# KiCad board HermEIS.kicad_pcb (continued)
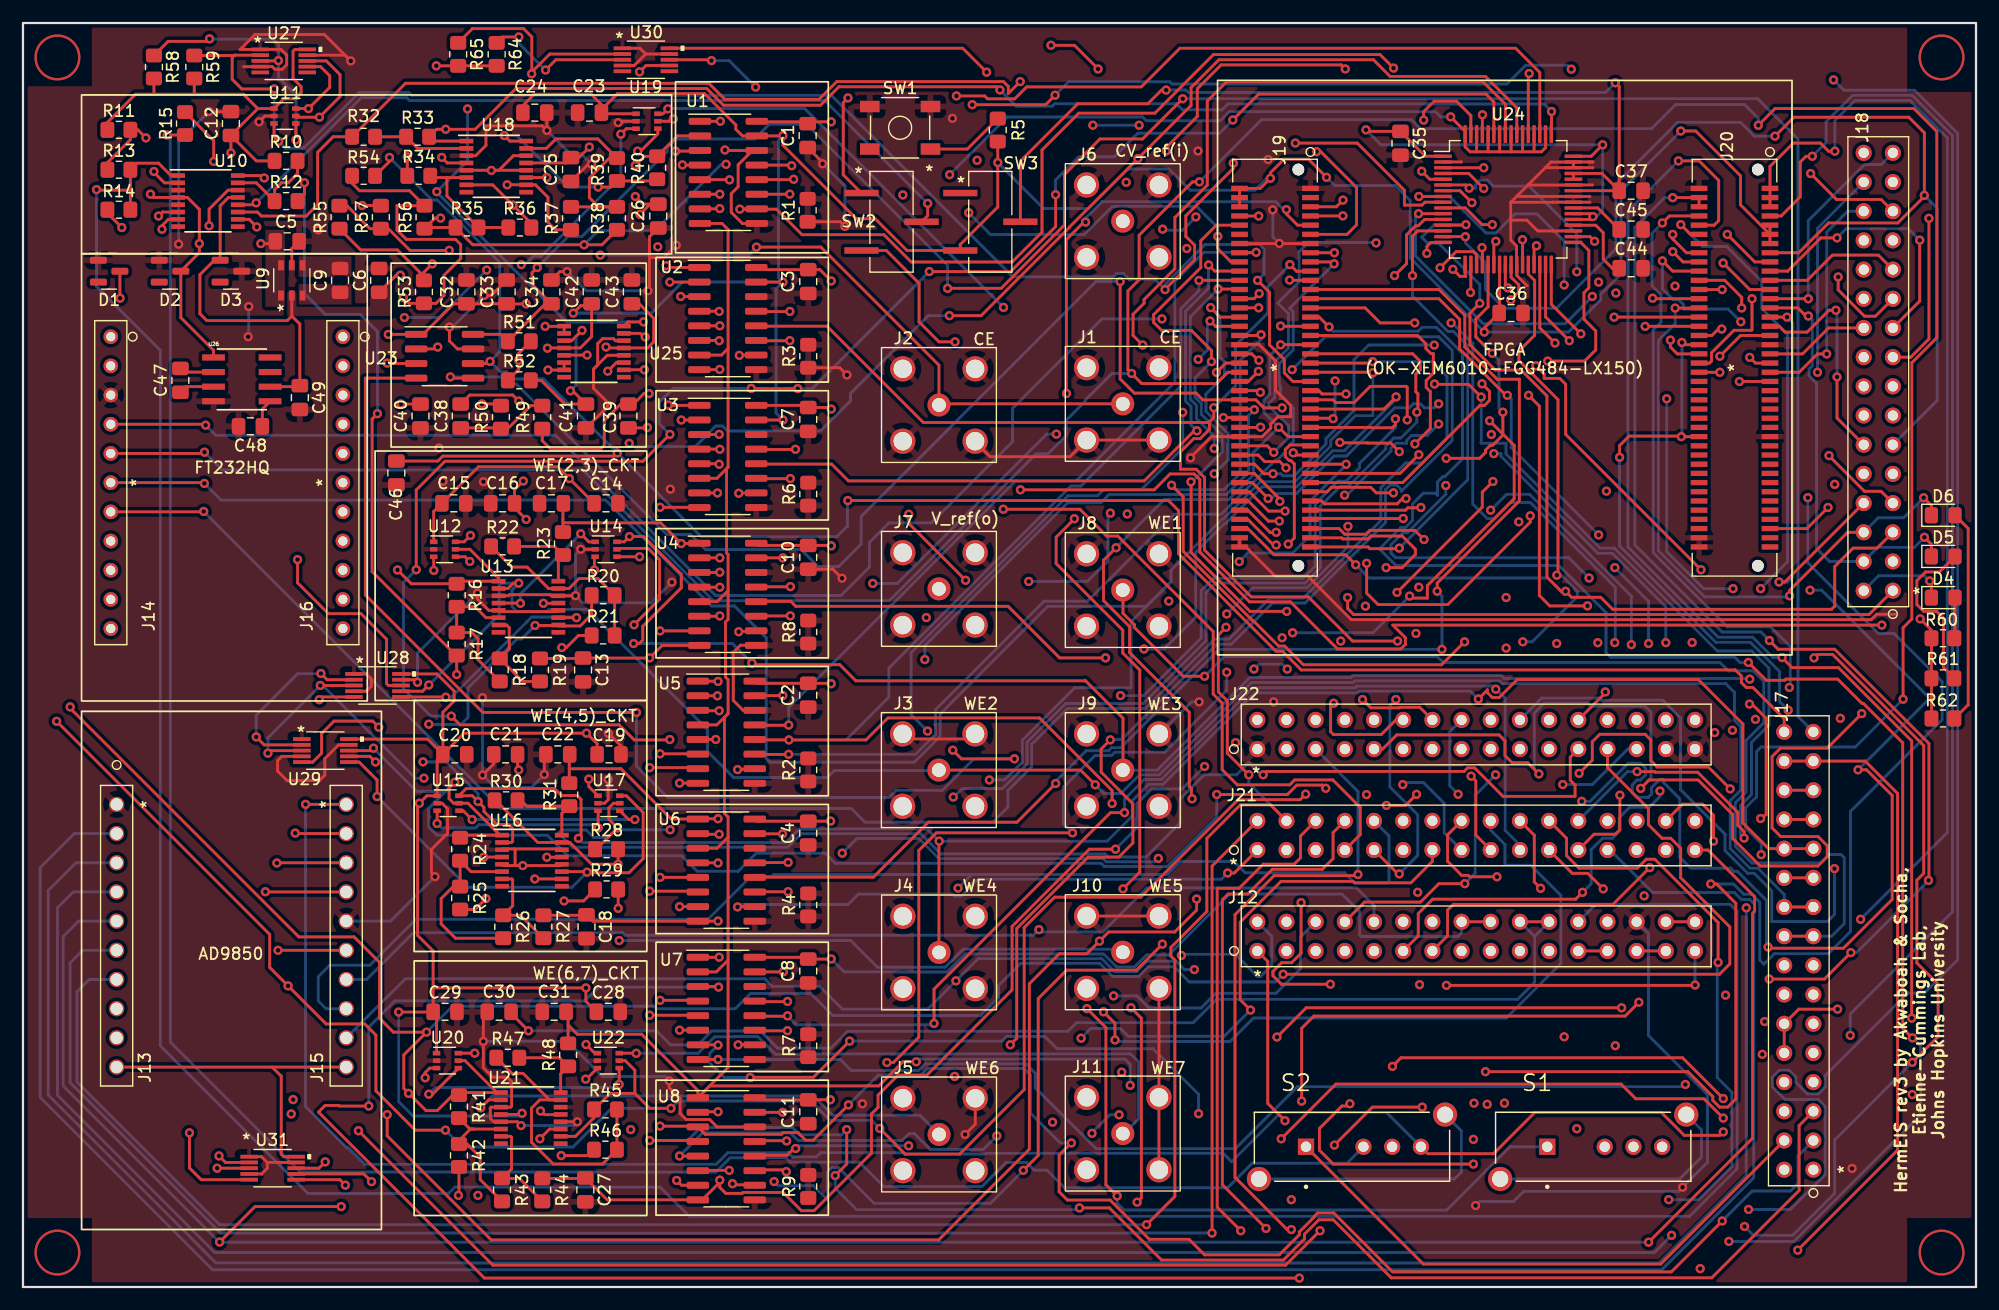
[diagram p0: board, top side]
## Routing (per net, layer and track width the routed paths; a pad name or vN(x,y) marks a point on that pad's centre or on a via; arc(x,y) is an arc through that point) (continued)
/A_SDO2: length 121.1
  Top w0.25: J21.A5 119.68,35.95 v2(119.8,35.95) ; 103.27,75.29 103.22,75.23 78.37,75.23 70.01,83.59 70,83.59 69.98,83.62 63.88,83.62 ; 103.27,75.29 103.27,74.63 102.47,73.83 101.9,73.83 100.75,72.68 100.75,71.16 102.12,71.16 102.85,70.43 102.85,64.12 106.92,60.06 111.88,60.06 115.73,56.21 v2(119.65,56.21) ; 103.27,75.29 103.65,75.67 v2(103.65,76.52) ; J19.19 112.06,88.4 110.85,88.4 v2(110.27,88.98)
  In2.Cu w0.25: v2(119.5,51.13) 119.65,51.28 v2(119.65,56.21)
  Bottom w0.25: v2(119.5,51.13) 118.98,50.61 118.98,43.52 121.4,41.1 121.4,37.55 v2(119.8,35.95) ; v2(110.27,88.98) 108.36,87.06 108.36,84.76 105.54,81.94 105.54,78.41 v2(103.65,76.52)
/A_SDO3: length 134.8
  Top w0.25: 63.92,71.62 70.39,71.62 71.85,70.15 97.6,70.15 101.96,74.51 v2(102.19,74.51) ; v2(103.2,88.94) 103.74,88.41 J19.20
  In2.Cu w0.25: v2(102.19,74.51) 102.2,74.5 107.08,74.5 107.44,74.14 110.93,74.14 111.18,74.39 115.04,74.39 118.8,70.62 119.92,70.62 122.9,67.64 122.9,66.1 128.35,60.65 128.35,59.72 128.8,59.28 129.27,59.28 132.77,55.78 132.77,55.7 133.2,55.28 133.27,55.28 133.86,54.69 133.86,44.92 135.4,43.39 135.4,43 128.74,43 126.74,40.99 126.74,37.64 125.1,36 121.05,36 120.14,36.91 J21.A6
  Bottom w0.25: v2(103.2,88.94) 103.19,88.92 103.19,86.91 101.2,84.92 101.2,77.09 101.66,76.63 101.66,75.04 v2(102.19,74.51)
/A_SDO4: length 181.6
  Top w0.25: 63.92,59.67 66.84,59.67 67.26,59.24 85.75,59.24 90.23,54.75 v2(94.23,54.75) ; J21.A7 122.68,37.04 120.81,35.18 115.9,35.18 115.77,35.3 109.5,35.3 105.95,31.75 105.95,25 v2(106.85,24.1) ; J19.21 110.27,87.61 v2(110.25,87.63)
  In1.Cu w0.25: v2(110.25,87.63) 109.59,88.29 109.59,89.26 110.66,90.32 110.66,94.05 110.25,94.45 109.5,94.45 106.78,97.17 106.47,97.17 102.42,93.12 v2(102.09,93.12) ; v2(96.12,67.28) 96.13,67.29 96.13,74.15 97.25,75.27 97.25,79.72 96.78,80.19 96.78,89.64 v2(99.2,92.06)
  In2.Cu w0.25: v2(92.1,21.65) 92.1,21.66 86.55,27.21 86.55,42.72 85.45,43.82 85.45,46.78 89,50.33 89,51.15 90.7,52.85 90.84,52.85 92.61,54.62 92.61,54.75 v2(94.23,54.75) 97.02,57.54 97.02,62.97 96.12,63.87 v2(96.12,67.28)
  Bottom w0.25: v2(99.2,92.06) 99.3,91.96 100.93,91.96 v2(102.09,93.12) ; v2(92.1,21.65) 92.95,22.5 95.52,22.5 96.2,21.82 104.56,21.82 v2(106.85,24.1)
/A_SDO5: length 145.2
  Top w0.25: v2(102.37,87.59) 102.38,87.61 J19.22 ; v2(66.67,47.61) 73.38,47.61 75.29,49.52 88.48,49.52 94.8,43.21 v2(94.8,42.08) ; 66.62,47.62 63.78,47.62
  In1.Cu w0.25: v2(105.55,47.38) 105.53,47.4 102.5,47.4 101.65,46.55 101.65,45 102.8,43.85 111.9,43.85 113.1,42.65 113.68,42.65 114.75,43.73 v2(120.1,43.73)
  In2.Cu w0.25: v2(105.55,47.38) 105.55,47.47 105.37,47.65 101.35,47.65 95.78,42.08 v2(94.8,42.08)
  Bottom w0.25: J21.A8 123.7,39.55 123.7,42.1 121.9,43.9 120.27,43.9 v2(120.1,43.73) ; v2(66.67,47.61) 71.65,47.61 75.37,51.34 75.37,53.85 91.22,69.7 92.08,69.7 100.78,78.41 100.78,85.12 102.37,86.71 v2(102.37,87.59)
/A_SDO6: length 137.5
  Top w0.25: v2(89.89,43.82) 86.52,40.45 78.81,40.45 74.02,35.67 63.73,35.67 ; v2(126.05,44.45) 126.46,44.04 126.46,39.33 J21.A9 ; v2(123.1,60.55) 123.1,61.26 130.25,68.41 130.25,79 128.31,79 125.5,81.81 125.5,84.57 123.26,86.81 J19.23
  In2.Cu w0.25: v2(126.05,44.45) 125.13,44.45 123.95,45.63 123.95,55.05 v2(123.51,55.49)
  Bottom w0.25: v2(89.89,43.82) 89.89,44.01 92.54,46.67 94.49,46.67 94.76,46.94 95.56,46.94 104.11,55.49 v2(123.51,55.49) 123.51,60.14 v2(123.1,60.55)
/A_SDO7: length 148.5
  Top w0.25: v2(79.3,22.94) 79.3,25.93 94.66,41.28 v2(95.88,41.28) ; v2(104.03,86.85) 105.85,86.85 J19.24 ; 66.52,23.57 63.67,23.57
  In2.Cu w0.25: v2(128.2,52.03) 128.2,56.93 111.81,73.32 104.15,73.32 104.09,73.37 v2(103.69,72.97)
  Bottom w0.25: J21.A10 130.3,38.45 129.01,39.74 129.01,51.25 128.23,52.03 v2(128.2,52.03) 127.92,52.3 116.11,52.3 115.96,52.15 107.06,52.15 99.07,44.16 97.59,44.16 95.88,42.46 v2(95.88,41.28) ; v2(66.55,23.6) 67.34,22.82 79.18,22.82 v2(79.3,22.94) ; v2(104.03,86.85) 101.61,84.43 101.61,77.26 102.15,76.72 102.15,75.58 103.69,74.03 v2(103.69,72.97)
/A_SDO8: length 321.1
  Top w0.25: v2(115.5,15.95) 115.3,15.75 114.8,15.75 112.85,13.8 112.85,11.9 114.05,10.7 v2(126.25,10.7) ; v2(164.45,19.55) 166.7,21.8 166.7,26.35 164.85,28.2 164.85,35.4 165.45,36 165.45,47.11 157.51,55.05 156.2,55.05 v2(155.9,54.75) ; J21.A11 132.84,38.01 134.85,36 136.2,36 v2(137.55,34.65) ; v2(111.3,16.18) 111.3,22.52 112.36,23.58 139.45,23.58 140.65,24.77 v2(140.65,24.78) ; J19.25 123.25,86.01 124.63,84.63 124.64,84.63 125.05,84.21 125.05,81.63 129.08,77.6 v2(129.2,77.6) ; v2(67.26,12.05) 67.1,12.05 66.52,11.47 63.67,11.47
  In1.Cu w0.25: v2(77.09,12.29) 77.09,14.43 79.83,17.16 79.83,19.03 82.94,22.14 85.6,22.14 85.97,22.5 88.58,22.5 88.95,22.13 91.46,22.13 91.73,22.4 96.33,22.4 96.5,22.23 102.27,22.23 107.39,27.35 108.37,27.35 108.72,27.7 108.72,33.62 109.7,34.6 120.12,34.6 121.1,33.63 132.05,33.63 133.4,34.97 133.4,37.47 J21.A11 ; v2(137.55,34.65) 137.5,34.6 139.1,33 139.1,26.33 v2(140.65,24.78)
  In2.Cu w0.25: v2(111.3,16.18) 115.27,16.18 v2(115.5,15.95) ; v2(137.15,65.45) 145.2,65.45 v2(155.9,54.75) ; v2(149.85,5.27) 149.6,5.02 147.61,5.02 147.4,5.23 130.82,5.23 126.25,9.79 v2(126.25,10.7)
  Bottom w0.25: v2(129.2,77.6) 129.54,77.26 129.54,73.06 v2(137.15,65.45) ; v2(67.26,12.05) 67.49,12.29 v2(77.09,12.29) ; v2(164.45,19.55) 157.7,12.8 157.7,8.15 154.05,4.5 150.62,4.5 v2(149.85,5.27)
/B21: length 68.4
  Top w0.25: v2(134.6,82.35) 132.53,84.42 132.53,88.98 ; J19.71 120.34,67.6 120.55,67.81 121.65,67.81 v2(121.68,67.84)
  In1.Cu w0.25: v2(134.6,82.35) 134.6,74.45 v2(127.75,67.6) 121.92,67.6 v2(121.68,67.84) ; v2(140,55.9) 140.46,55.44 J22.B14
  Bottom w0.25: v2(127.75,67.6) 129.13,68.98 131.14,68.98 140,60.12 v2(140,55.9)
/B22: length 75.6
  Top w0.25: J19.73 112.14,66.88 118.02,66.88 118.03,66.88 120.13,66.88 v2(120.14,66.88) ; v2(132.72,80.58) 135.93,80.58 136.9,81.55 136.9,83.2 135.88,84.23 135.88,86.53 136.3,86.95 136.3,90.2 135.59,90.91 134.95,90.91
  In1.Cu w0.25: v2(132.72,80.58) 132.7,80.56 132.7,77.2 v2(128.03,72.53) 126.72,72.53 124.67,70.48 123.55,70.48 121.88,68.81 121.61,68.81 120.14,67.34 v2(120.14,66.88) ; v2(143,56.08) 145.54,53.54 J22.B16
  Bottom w0.25: v2(143,56.08) 143,59.19 138.34,63.85 137.09,63.85 128.64,72.3 128.64,72.53 v2(128.03,72.53)
/C5: length 66.6
  Top w0.25: v2(121.75,97.1) 122.45,96.41 U24.5 ; v2(147.99,89.11) 150.29,86.81 J20.23 ; J18.A14 161.74,94.64 157.86,94.64 v2(155.6,96.9)
  In1.Cu w0.25: v2(121.75,97.1) 120.71,97.1 118.83,95.22 118.83,92.32 119.4,91.75 123.5,91.75 124.92,93.18 131.97,93.18 137.15,88 v2(137.15,87.45) ; v2(155.6,96.9) 155.6,96.72 v2(147.99,89.11)
  In2.Cu w0.25: v2(147.99,89.11) 146.7,87.83 137.52,87.83 v2(137.15,87.45)
/C8: length 15.6
  Top w0.25: v2(147.87,83.37) 147.57,83.37 147.01,82.81 J20.34
  In2.Cu w0.25: J18.B9 159.22,81.93 149.31,81.93 v2(147.87,83.37)
/C10: length 20.8
  Top w0.25: J20.40 146.81,80.41 146.97,80.58 146.97,81.3 148.93,83.26 150.46,83.26 150.5,83.3 v2(150.5,86)
  In1.Cu w0.25: J18.B13 159.52,90.38 154.88,90.38 v2(150.5,86)
/C14: length 35.9
  Top w0.25: v2(152.85,61.35) 153.35,61.35 J18.B4 ; v2(153.55,84.4) 153.54,84.41 J20.29
  Bottom w0.25: v2(153.55,84.4) 154.05,83.9 154.05,61.8 153.6,61.35 v2(152.85,61.35)
/C20: length 82.7
  Top w0.25: J19.72 106.62,67.6 108.54,65.68 v2(109.08,65.68) ; 133.03,88.98 133.03,85.52 v2(135.6,82.95)
  In1.Cu w0.25: v2(121.5,60.9) 123.85,63.25 137.92,63.25 v2(138.56,62.6) ; v2(141.5,56) 143,54.5 J22.B15
  In2.Cu w0.25: v2(135.6,82.95) 135.6,65.57 v2(138.56,62.6) ; v2(121.5,60.9) 121.5,61.55 115.17,67.89 111.71,67.89 109.5,65.68 v2(109.08,65.68)
  Bottom w0.25: v2(138.56,62.6) 138.56,62.6 141.5,59.66 v2(141.5,56)
/C22: length 179.7
  Top w0.25: U24.9 122.03,94.41 121.78,94.15 120.25,94.15 120.25,95.44 116.14,99.55 v2(110.75,99.55) ; J18.A1 160.69,58.53 115.82,58.53 115.3,59.05 v2(115.3,60) ; J19.74 106.62,66.8 108.85,64.57 v2(109.08,64.57)
  In1.Cu w0.25: v2(115.3,60) 113.05,62.25 113.05,63.92 v2(115.33,66.2) ; v2(93.12,101.1) 93.12,101.05 89.2,97.13 89.2,68 91.05,66.15 101.2,66.15 102.39,64.96 102.39,59.73 103.65,58.47 103.65,57.41 104.79,56.27 105.48,56.27 105.48,57.87 v2(104.78,58.57) ; v2(97.15,101.1) 98.7,99.55 v2(110.75,99.55)
  In2.Cu w0.25: v2(115.33,66.2) 115.31,66.22 110.73,66.22 v2(109.08,64.57)
  Bottom w0.25: v2(104.78,58.57) 107.06,60.85 111.77,60.85 115.33,64.41 v2(115.33,66.2) ; v2(93.12,101.1) v2(97.15,101.1)
/CE: length 236.8
  Top w0.25: v2(161.8,57.6) 119.23,57.6 120.33,56.5 120.33,55.93 119.93,55.53 114.42,55.53 110.32,59.63 106.77,59.63 102.44,63.96 102.44,70.26 101.95,70.75 99.84,70.75 98.47,69.38 v2(86.82,69.38) ; J1.1 79.83,76.86 J2.1 ; v2(20.35,92.25) 19.69,92.91 U10.10 ; 79.73,76.44 79.73,80.22 69.45,90.5 v2(63.85,90.5)
  In1.Cu w0.25: v2(86.82,69.38) 86.82,67.75 85.46,66.39 81.16,66.39 79.73,67.82 J2.1
  In2.Cu w0.25: v2(20.35,92.25) 22.83,89.77 35.93,89.77 36.21,89.49 42.87,89.49 43.18,89.8 v2(50.25,89.8) ; 153.3,25.45 J17.B8 154.59,26.7 159.7,26.7 159.75,26.65 162.7,29.6 162.7,56.7 v2(161.8,57.6)
  Bottom w0.25: v2(50.25,89.8) 63.15,89.8 v2(63.85,90.5)
/chn1: length 240.2
  Top w0.25: U6.5 58.74,35.65 v2(55.45,35.65) ; v2(55.45,67.85) 58.86,67.85 58.88,67.84 ; v2(53.3,97.6) 54.1,98.4 R40.2 56.98,100.18 U1.2 ; v2(91.25,12.54) 90.19,11.48 90.19,8.29 90.91,7.57 94.63,7.57 98.05,4.15 101.5,4.15 102.85,2.8 109.35,2.8 111.1,4.55 111.1,4.8 112.4,6.1 112.4,6.15 112.7,6.45 114.09,6.45 119.22,1.32 143.48,1.32 v2(147.91,5.74) ; v2(55.45,46.4) 58.72,46.4 U5.6 ; v2(55.98,88.88) 56.14,88.73 58.88,88.73 ; v2(53.7,93.35) 54.59,94.24 C26.1 53.96,94.24 v2(53.3,94.9) ; 58.88,57.11 58.87,57.1 v2(55.45,57.1) ; U7.4 58.68,24.95 v2(55.45,24.95) ; v2(71.85,15.85) 68.78,12.78 68.12,12.78 67.47,13.44 66.17,13.44 66.02,13.29 59.39,13.29 U8.3 58.68,14 v2(55.45,14)
  In1.Cu w0.25: v2(55.45,14) v2(55.45,24.95) v2(55.45,35.65) v2(55.45,46.4) v2(55.45,57.1) v2(55.45,67.85) 55.45,88.35 v2(55.98,88.88) 55.87,88.88 53.7,91.05 v2(53.7,93.35) ; v2(53.3,94.9) v2(53.3,97.6)
  Bottom w0.25: v2(71.85,15.85) 74.44,18.44 78.14,18.44 78.71,19.01 87.14,19.01 87.7,18.45 87.7,15.13 90.29,12.54 v2(91.25,12.54) ; v2(147.91,5.74) 150.51,8.35 153.85,8.35 154.5,9 154.5,11.41 J17.A2
/chn1_r: length 228.1
  Top w0.25: v2(81.25,103.65) 83.71,103.65 83.96,103.4 86.33,103.4 87.37,104.44 97.34,104.44 100.7,107.8 129.93,107.8 132.03,105.7 U24.51 ; v2(82.05,61.5) 77.1,66.45 v2(77.1,67.25) ; R37.1 46.35,92 45.7,92.65 45.7,94.83 44.62,95.91 U18.10 43.79,95.92 v2(42.15,95.92) ; U19.5 56.41,101.45 v2(56.61,101.65) ; U30.8 59.86,106.8 v2(59.93,106.73)
  In1.Cu w0.25: v2(76.59,95.04) 78.13,93.49 78.13,68.28 v2(77.1,67.25) ; J22.A8 124.05,47.98 124.05,50.3 121.75,52.6 104.43,52.6 102.35,54.68 102.35,56.75 100.85,58.25 100.21,58.25 96.13,62.33 86.28,62.33 85.46,61.5 v2(82.05,61.5) ; v2(83.05,98.05) 83.05,100.55 83.63,101.13 83.63,102.95 82.93,103.65 v2(81.25,103.65) 80.8,104.1 77.85,104.1 74.6,100.85 72.31,100.85 68.73,104.43 59.39,104.43 v2(56.61,101.65)
  In2.Cu w0.25: v2(76.59,95.04) 79.6,98.05 v2(83.05,98.05) ; v2(56.61,101.65) 56.36,101.65 54.29,99.58 53.2,99.58 52.78,99.15 52.78,99.15 50.07,96.44 49.76,96.44 49.34,96.02 49.34,95.71 49.26,95.63 42.44,95.63 v2(42.15,95.92)
  Bottom w0.25: v2(63.77,104.42) 61.47,106.73 v2(59.93,106.73)
/chn2: length 250.9
  Top w0.25: v2(56.17,76.75) 56.2,76.73 58.88,76.73 ; U7.5 58.71,23.65 v2(54.55,23.65) ; 58.88,87.46 58.87,87.45 v2(56.3,87.45) ; v2(54.55,45.2) 58.65,45.2 U5.7 ; U1.3 58.87,98.85 v2(56.8,98.85) ; v2(54.55,34.45) 58.67,34.45 U6.6 ; v2(71.7,13.7) 71.7,10.7 v2(70.7,9.7) ; 58.88,55.84 55.64,55.84 v2(54.55,54.75) 54.54,54.74 C13.1 48.71,54.7 R19.2 ; J17.A3 154.6,14.05 154.6,8.4 147,0.8 119.1,0.8 114.05,5.85 112.8,5.85 111.55,4.6 111.55,4.19 109.71,2.35 99.1,2.35 94.57,6.88 v2(91.96,6.88) ; U8.4 58.66,12.75 v2(54.55,12.75)
  In2.Cu w0.25: v2(56.8,98.85) 56.14,98.19 56.14,90.36 56.96,89.53 56.96,88.11 v2(56.3,87.45) 56.3,76.88 v2(56.17,76.75) 56.17,75.6 54.55,73.97 v2(54.55,54.75) v2(54.55,45.2) v2(54.55,34.45) v2(54.55,23.65) v2(54.55,12.75)
  Bottom w0.25: v2(54.55,12.75) 57.85,12.75 58.98,13.89 66.97,13.89 67.6,13.25 71.25,13.25 v2(71.7,13.7) ; v2(70.7,9.7) 70.7,8.6 72.57,6.73 91.81,6.73 v2(91.96,6.88)
/chn2_r: length 351.9
  Top w0.25: v2(32.6,62.4) 33.8,61.2 R16.1 37.97,61.42 U13.1 41.4,61.7 38.9,64.2 U12.5 ; U24.53 131.03,105.53 v2(131.1,105.6) ; v2(99.52,98.87) 99.52,99.17 102.22,101.87 102.22,104.28 104.29,106.35 114.75,106.35 v2(115.1,106) ; v2(23.9,63.3) 23.9,61.28 26.58,58.6 29.42,58.6 31.65,56.37 31.65,52.52 31.82,52.35 U28.8
  In1.Cu w0.25: v2(99.74,59.69) 101.28,59.69 102.83,58.13 102.83,57.07 106.85,53.05 125.85,53.05 127.41,51.5 127.41,50.87 126.24,49.71 126.24,48.33 J22.A9
  In2.Cu w0.25: v2(32.6,62.4) 31.66,63.34 23.94,63.34 v2(23.9,63.3) 23.86,63.34 5.44,63.34 5.4,63.3 2.3,66.4 2.3,100.6 9.3,107.6 88.91,107.6 89.18,107.34 89.78,107.34 90.05,107.6 123.25,107.6 ; 123.25,107.6 121,105.35 115.75,105.35 v2(115.1,106) ; 123.25,107.6 129.1,107.6 v2(131.1,105.6) ; v2(99.74,59.69) 100.27,60.22 100.27,65.38 99.29,66.36 99.29,71.38 100.27,72.35 100.27,74.28 99.85,74.69 99.85,79.02 100.27,79.43 100.27,80.58 94.11,86.73 94.11,93.54 95.65,95.08 96.54,95.08 96.72,95.25 96.72,97.08 96.02,97.78 96.02,98.79 96.74,99.51 98.34,99.51 98.98,98.87 v2(99.52,98.87)
/chn3: length 219.6
  Top w0.25: U7.6 58.74,22.35 v2(57.15,22.35) ; v2(57.4,97.65) 57.42,97.64 U1.4 ; U8.5 58.74,11.4 v2(57.15,11.4) ; 58.88,75.46 58.87,75.45 v2(57.3,75.45) ; C17.1 47,68.16 47,66.55 ; 47,66.55 47.05,66.5 55.5,66.5 v2(57.3,64.7) 58.85,64.7 58.88,64.73 ; 47,66.55 R23.2 ; U6.7 58.74,33.1 v2(57.15,33.1) ; 58.88,86.19 58.86,86.2 v2(57.25,86.2) ; v2(148,14.7) 146.32,16.38 140.39,16.38 139.11,17.66 114.28,17.66 v2(109.52,12.9) ; U5.8 58.73,43.85 v2(57.15,43.85)
  In1.Cu w0.25: v2(57.15,11.4) v2(57.15,22.35) v2(57.15,33.1) v2(57.15,43.85) 57.3,44 v2(57.3,64.7) v2(57.3,75.45) 57.3,86.15 v2(57.25,86.2) 57.75,86.7 57.75,97.3 v2(57.4,97.65) ; v2(84.77,13.15) 86.11,11.81 108.43,11.81 v2(109.52,12.9)
  In2.Cu w0.25: J17.A4 154.68,16.67 149.97,16.67 v2(148,14.7)
  Bottom w0.25: v2(57.15,11.4) 59.19,13.44 66.77,13.44 67.46,12.75 76.52,12.75 77.12,13.35 77.59,13.35 78.96,11.98 83.59,11.98 v2(84.77,13.15)
/chn3_r: length 243.6
  Top w0.25: v2(53.19,57.63) 55.41,59.85 55.41,63.28 54.42,64.28 51.78,64.28 U14.5 ; v2(44.58,57.57) 46.56,57.57 U13.10 46.69,57.53 48.51,57.53 49.5,58.52 R20.1 ; v2(25.79,51.11) 26.03,51.35 U28.5 ; v2(80.64,84.53) 83.4,84.53 91.1,92.23 91.1,92.25 v2(97.05,98.2) 101.67,102.83 101.67,104.38 104.1,106.8 117.55,106.8 119,105.35 127.3,105.35 130.03,102.62 U24.55
  In1.Cu w0.25: v2(53.19,57.63) 54.4,58.84 54.4,71.8 v2(52.77,73.42)
  In2.Cu w0.25: v2(53.19,57.63) 53.09,57.53 44.62,57.53 v2(44.58,57.57) ; J22.A10 131.32,47.84 131.32,54.35 129.82,55.85 129.82,57.53 122.78,64.57 122.78,65.56 120.63,67.71 118.99,67.71 118.14,68.56 118.14,70.71 115.98,72.87 114.96,72.87 114.91,72.82 113.48,72.82 112.57,73.73 107.27,73.73 106.91,74.09 105.05,74.09 104.74,73.78 101.95,73.78 100.26,75.47 100.26,78.85 100.67,79.26 100.67,83.82 97.31,87.19 97.31,97.94 v2(97.05,98.2) ; v2(35.32,48.98) 33.19,51.11 v2(25.79,51.11)
  Bottom w0.25: v2(52.77,73.42) 53.05,73.14 58.51,73.14 60.3,74.93 60.9,74.93 61.33,74.5 69.42,74.5 72.03,77.11 72.03,77.77 78.8,84.53 v2(80.64,84.53) ; v2(35.32,48.98) 35.34,48.96 38.14,48.96 38.73,49.55 38.73,52.13 43,56.4 43.4,56.4 v2(44.58,57.57)
/chn4: length 231.9
  Top w0.25: R27.2 49.01,32.35 C18.1 49.6,31.84 U6.8 60.48,31.84 v2(60.5,31.85) ; 58.88,84.92 60.59,84.92 v2(60.6,84.9) ; v2(61.5,96.35) 61.48,96.37 U1.5 ; v2(60.5,21.05) 60.48,21.08 U7.7 ; v2(60.5,52.7) 60.48,52.73 U5.1 ; v2(60.6,74.2) 60.59,74.19 58.88,74.19 ; v2(63.3,18.22) 63.33,18.25 68.8,18.25 v2(71.95,21.4) ; 58.88,63.46 60.65,63.46 v2(60.65,63.45) ; v2(61.48,10.15) 58.77,10.15 U8.6
  In1.Cu w0.25: 61.48,84.93 61.48,96.33 v2(61.5,96.35) ; 61.48,84.93 60.62,84.93 v2(60.6,84.9) ; 61.48,84.93 61.48,82.2 61.27,81.99 61.27,80.26 61.48,80.05 61.48,74.23 ; 61.48,74.23 61.48,71.45 61.23,71.2 61.23,63.72 61.48,63.48 ; 61.48,74.23 60.62,74.23 v2(60.6,74.2) ; v2(61.48,10.15) 61.48,10.15 61.48,21.08 ; 61.48,63.48 60.67,63.48 v2(60.65,63.45) ; 61.48,63.48 60.94,62.94 61.38,62.51 61.38,58.1 60.94,57.66 60.94,53.26 61.48,52.73 ; 61.48,31.83 61.48,40.8 60.88,41.4 60.88,47.2 61.33,47.65 61.33,51.69 60.88,52.13 61.48,52.73 ; 61.48,31.83 61.45,31.85 v2(60.5,31.85) ; 61.48,31.83 61.48,21.08 ; 61.48,52.73 60.53,52.73 v2(60.5,52.7) ; 61.48,21.08 60.53,21.08 v2(60.5,21.05)
  In2.Cu w0.25: v2(102.33,15.09) 102.33,16.03 103.45,17.15 123.58,17.15 125.73,15 142.83,15 144.21,16.38 145.35,16.38 145.71,16.01 148.55,18.85 154.33,18.85 155.84,20.37
  Bottom w0.25: v2(63.3,18.22) 61.05,18.22 59.78,19.5 59.78,20.33 v2(60.5,21.05) ; v2(102.33,15.09) 102.33,16.78 98.37,20.73 90.02,20.73 88.95,21.81 85.64,21.81 85.23,21.4 v2(71.95,21.4)
/chn4_r: length 238.2
  Top w0.25: U29.8 30.3,46.68 v2(30.51,46.89) ; v2(97.46,81.98) 96.62,82.81 96.62,84.65 97.58,85.61 97.58,85.93 100.27,88.61 100.27,93.07 103.08,95.89 103.08,103.21 104.75,104.87 127.1,104.87 129.03,102.94 U24.57 ; v2(113.4,43.4) 113.12,43.68 110.88,43.68 110.06,42.86 v2(103.91,42.86) ; R24.1 38.27,39.32 U16.1 41.52,39.32 38.74,42.1 U15.5 37.49,42.1 37.09,42.5 37.09,43.43 v2(37.59,43.93)
  In1.Cu w0.25: J22.A11 129.76,43.73 125.75,43.73 125.33,44.15 125.33,44.45 114.45,44.45 v2(113.4,43.4)
  In2.Cu w0.25: v2(113.4,43.4) 113.31,43.4 111.18,45.53 111.18,47.35 110.43,48.1 102.26,48.1 96.38,53.98 96.38,56.32 97.42,57.37 97.42,65.33 97.23,65.53 97.23,81.74 v2(97.46,81.98)
  Bottom w0.25: 36.78,43.13 34.27,43.13 v2(30.51,46.89) ; 36.78,43.13 35.33,41.68 35.33,40.04 36.04,39.32 45.63,39.32 47.42,37.53 57.33,37.53 58.69,36.18 62.26,36.18 63.83,37.75 69.82,37.75 70.7,36.87 93.85,36.87 94.13,36.59 99.6,36.59 103.91,40.9 v2(103.91,42.86) ; 36.78,43.13 37.58,43.93 v2(37.59,43.93)
/chn5: length 234.2
  Top w0.25: C22.1 47.55,46.31 47.55,45.1 ; 58.88,83.65 60.65,83.65 v2(60.65,83.65) ; 58.88,62.19 60.64,62.19 v2(60.65,62.2) ; U5.2 60.45,51.46 v2(60.45,51.45) ; v2(60.65,95.1) 60.65,95.1 U1.6 ; v2(60.5,40.75) 58.77,40.75 U6.1 56.42,40.73 52.05,45.1 47.55,45.1 ; v2(60.65,72.9) 60.64,72.92 58.88,72.92 ; R31.2 47.55,45.1 ; v2(56.9,9.28) 57.32,8.86 U8.7 ; U7.8 60.5,19.81 v2(60.5,19.8)
  In2.Cu w0.25: 58.65,40.75 v2(60.5,40.75) ; 58.65,40.75 58.65,51.5 ; 58.65,40.75 58.65,19.8 ; 58.65,62.2 58.65,51.5 ; 58.65,62.2 58.65,72.85 ; 58.65,62.2 v2(60.65,62.2) ; 58.65,51.5 58.7,51.45 v2(60.45,51.45) ; v2(60.65,95.1) 58.65,95.1 58.65,83.6 ; 58.65,19.8 58.65,11.03 v2(56.9,9.28) ; 58.65,19.8 v2(60.5,19.8) ; v2(60.65,72.9) 58.7,72.9 58.65,72.85 ; 58.65,83.6 58.65,72.85 ; 58.65,83.6 58.7,83.65 v2(60.65,83.65) ; J17.A6 154.68,21.75 151.1,21.75 150.4,21.05 148.47,21.05 145.05,17.63 v2(144.7,17.63)
  Bottom w0.25: v2(60.5,19.8) 71.14,19.8 72.09,18.85 77.97,18.85 78.54,19.42 87.31,19.42 88.11,18.62 88.11,17.35 93.41,12.05 105.55,12.05 110.95,17.44 144.51,17.44 v2(144.7,17.63)
/chn5_r: length 312.7
  Top w0.25: U16.10 44.55,35.51 v2(44.55,35.51) ; v2(34.23,62.42) 34.23,69.36 36.73,71.86 53.97,71.86 v2(56.31,74.2) ; v2(56.3,47.64) 56.27,47.61 53.2,47.61 51.89,48.93 38.04,48.93 v2(37.28,49.68) ; v2(30.97,48.72) 30.44,49.25 27.07,49.25 25.99,48.17 25.99,46.45 25.22,45.68 U29.5 ; v2(105.31,101.56) 107.56,103.81 127.35,103.81 128.03,103.13 U24.59 ; U17.5 51.4,42.1 51,41.7 51,40.71 v2(51.75,39.96) 49.89,38.1 R28.1 ; v2(67.44,78.18) 63.41,78.18 v2(63.39,78.2) ; v2(78.89,88.37) 85.97,88.37 89.88,92.28 v2(89.88,95.06) ; J22.A12 134.68,46.11 134.68,44.1 135.1,43.69 135.1,42.7 128.83,42.7 126.35,45.18 125.75,45.18 125.44,44.87 108.24,44.87 v2(107.95,44.58)
  In2.Cu w0.25: v2(30.97,48.72) 31.44,48.25 35.87,48.25 37.28,49.66 v2(37.28,49.68) ; v2(51.75,39.96) 47.3,35.51 v2(44.55,35.51) ; v2(56.33,39.79) 56.3,39.82 v2(56.3,47.64)
  Bottom w0.25: v2(107.95,44.58) 107.77,44.58 106.7,45.65 105.63,44.58 102.83,44.58 100.73,42.48 100.73,40.41 97.74,37.42 94.46,37.42 94.19,37.69 79.89,37.69 78.13,39.46 67.74,39.46 66.55,38.27 47.84,38.27 46.6,39.5 46.87,39.77 49.03,39.77 49.67,39.13 50.95,39.13 51.75,39.93 v2(51.75,39.96) 51.92,39.79 v2(56.33,39.79) ; v2(34.23,62.42) 33.12,61.31 33.12,52.06 35.5,49.68 v2(37.28,49.68) ; v2(105.31,101.56) 104.16,100.41 97.05,100.41 94.99,98.36 91.9,98.36 89.88,96.34 v2(89.88,95.06) ; v2(67.44,78.18) 68.7,78.18 v2(78.89,88.37) ; v2(56.31,74.2) 55.38,75.13 55.38,76.98 56.6,78.2 v2(63.39,78.2)
/chn6: length 278
  Top w0.25: 58.88,82.38 60.58,82.38 v2(60.6,82.35) ; 58.88,71.65 60.56,71.65 v2(60.6,71.6) ; v2(148.6,43.35) 146.7,45.25 142.25,45.25 141.7,45.8 141.7,47.6 141.2,48.1 137.25,48.1 136.6,47.45 136.6,45.85 v2(135.45,44.7) ; v2(60.65,93.85) 60.62,93.83 U1.7 ; R44.2 48.91,9.45 C27.1 50.85,7.59 U8.8 59.12,7.59 60.65,9.11 v2(60.65,9.3) 60.65,8.67 61.17,8.15 62.59,8.15 62.67,8.23 66.17,8.23 67.76,6.64 68.86,6.64 73.86,11.64 73.86,15.06 74.43,15.64 74.43,16.71 76.16,18.44 78.67,18.44 86.09,25.86 86.09,31.38 92.81,38.1 v2(95.1,38.1) ; 58.75,50.15 60.59,50.15 ; v2(60.6,28.7) 60.59,28.7 U7.1 ; 58.8,60.9 60.65,60.9 ; 58.75,39.4 60.59,39.4
  In1.Cu w0.25: v2(102.85,45.3) 128.35,45.3 129,45.95 129,47.5 129.55,48.05 133.35,48.05 134.05,47.35 134.05,44.95 134.3,44.7 v2(135.45,44.7) ; v2(148.6,43.35) 149.1,43.35 150.55,41.9 160.7,41.9 161.2,41.4 161.2,28.45 158.2,25.45 155.84,25.45
  In2.Cu w0.25: v2(60.6,39.4) 61.19,39.4 61.23,39.37 ; 61.6,71.6 61.6,79.93 61.34,80.19 61.34,82.09 61.6,82.35 ; 61.6,71.6 61.23,71.23 61.23,63.9 61.38,63.75 61.38,58.1 61.01,57.73 61.01,53.22 61.6,52.63 61.6,50.15 ; 61.6,71.6 v2(60.6,71.6) ; v2(60.6,50.15) 61.6,50.15 ; 61.6,50.15 61.07,49.62 61.07,41.21 61.23,41.05 61.23,39.37 ; 61.6,28.65 61.53,28.58 61.53,12.23 60.65,11.35 v2(60.65,9.3) ; 61.6,28.65 61.23,29.03 61.23,39.37 ; 61.6,28.65 61.55,28.7 v2(60.6,28.7) ; 61.6,82.35 61.6,93.4 61.15,93.85 v2(60.65,93.85) ; 61.6,82.35 v2(60.6,82.35) ; v2(60.65,60.9) 61.6,60.9
  Bottom w0.25: v2(95.1,38.1) 96.9,39.9 96.9,40.75 96.98,40.83 96.98,42.08 98.23,43.34 100.89,43.34 v2(102.85,45.3)
/chn6_r: length 408.2
  Top w0.25: v2(109.69,27.22) 147.67,27.22 148.57,28.12 148.57,31.34 144.29,35.62 144.29,38.19 143.42,39.05 142.67,39.05 141.48,40.24 141.48,41.64 137.92,45.2 J22.A13 ; U20.5 38.48,19.7 41.25,16.92 U21.1 38.17,16.92 R41.1 37.41,16.7 36.06,15.35 35.09,15.35 33.15,17.29 33.15,20.2 v2(35.13,22.18) 32.24,22.18 31.03,23.39 31.03,28.26 28.82,30.47 24,30.47 4.11,50.36 v2(4.11,50.48) ; v2(26.31,10.89) 25.76,10.34 U31.8 ; v2(127.04,102.01) 127.03,102 U24.61
  In1.Cu w0.25: v2(127.04,102.01) 127.04,102.68 122.27,107.45 89.9,107.45 89.78,107.34 89.18,107.34 89.06,107.45 9.57,107.45 1.68,99.56 1.68,52.91 v2(4.11,50.48)
  In2.Cu w0.25: v2(26.31,10.89) 26.32,10.88 31.95,10.88 33.56,12.49 v2(33.56,16.85)
  Bottom w0.25: v2(35.13,22.18) 37.39,24.44 54.94,24.44 55.16,24.21 61.99,24.21 63.31,25.54 68.57,25.54 70.48,23.63 83.37,23.63 84.92,25.17 84.92,26.24 86.84,28.17 93.72,28.17 94.86,27.03 97.12,27.03 97.96,27.87 100.2,27.87 101.51,26.56 109.03,26.56 v2(109.69,27.22)
/chn7: length 225.7
  Top w0.25: 61.38,60.6 61.38,63.75 61.24,63.89 61.24,71.21 61.38,71.35 ; 61.38,60.6 60.42,59.65 58.88,59.65 ; 61.38,60.6 61.38,58.1 61.15,57.87 61.15,53.08 61.38,52.85 61.38,49.9 ; 61.38,49.9 61.06,49.58 61.06,41.22 61.38,40.9 61.38,39.15 ; 61.38,49.9 60.39,48.92 U5.4 ; U8.1 58.75,17.11 53.85,22 48.25,22 47.45,22.8 ; U8.1 59.77,17.5 74.5,17.5 76.59,19.6 v2(77.75,19.6) ; U8.1 61.38,19.11 61.38,28.45 ; 61.38,81.68 61.38,92.03 60.84,92.56 U1.8 ; 61.38,81.68 61.38,71.35 ; 61.38,81.68 60.8,81.1 58.88,81.1 58.88,81.11 ; 61.38,71.35 60.4,70.38 58.88,70.38 ; 61.38,39.15 60.41,38.19 U6.3 ; 61.38,39.15 61.38,28.45 ; C31.1 47.45,23.78 47.45,22.8 ; 47.45,22.8 R48.2 ; 61.38,28.45 60.35,27.43 U7.2
  In1.Cu w0.25: v2(96.38,17.55) 98.65,19.83 103.87,19.83 106.35,17.35 137.25,17.35 138.25,18.35 146.45,18.35 148.2,20.1 v2(148.2,25.4)
  In2.Cu w0.25: v2(148.2,25.4) 148.95,25.4 152.8,29.25 154.58,29.25 J17.A8
  Bottom w0.25: v2(96.38,17.55) 96.38,19.39 95.93,19.83 77.98,19.83 v2(77.75,19.6)
/chn7_r: length 412.3
  Top w0.25: v2(121.92,101.55) 121.92,102.28 122.83,103.19 124.78,103.19 126.03,101.94 U24.63 ; U31.5 15.52,9.34 14.49,10.37 v2(14.49,13.42) ; v2(93.58,106) 91.52,108.06 v2(89.48,108.06) ; v2(36.77,13.65) 34.14,13.65 30.72,17.07 30.72,21.92 29.75,22.89 26.39,22.89 v2(23.07,26.21) 21.47,27.81 21.47,30.69 v2(2.93,49.23) ; U21.10 48.09,13.11 49.7,14.72 R45.1 51.1,16.85 53.26,16.85 ; 53.26,16.85 53.26,18.87 52.42,19.7 U22.5 ; 53.26,16.85 54.56,15.55 v2(56.4,15.55) ; v2(111.65,42.89) 111.17,42.41 105.77,42.41 97.29,33.93 89.8,33.93 87.15,31.28 87.15,17.18 81.54,11.57 76.79,11.57 75.98,12.37 75.98,12.4 v2(74.58,13.8)
  In1.Cu w0.25: v2(23.07,26.21) 14.49,17.63 v2(14.49,13.42) ; v2(121.92,101.55) 116.47,107 94.58,107 v2(93.58,106) ; v2(89.48,108.06) 89.32,107.9 9.38,107.9 1.23,99.75 1.23,50.93 v2(2.93,49.23)
  In2.Cu w0.25: v2(134.03,43.73) 128.84,43.73 126.93,41.82 119.8,41.82 118.98,42.64 118.23,42.64 117.66,42.06 112.48,42.06 v2(111.65,42.89)
  Bottom w0.25: v2(134.03,43.73) 136.61,43.73 139.69,46.81 J22.A14 ; v2(36.77,13.65) 38.25,12.18 47.86,12.18 51.23,15.55 v2(56.4,15.55) 57.03,16.18 68.58,16.18 70.26,14.5 73.88,14.5 v2(74.58,13.8)